# KiCad board untitled.kicad_pcb (continued)
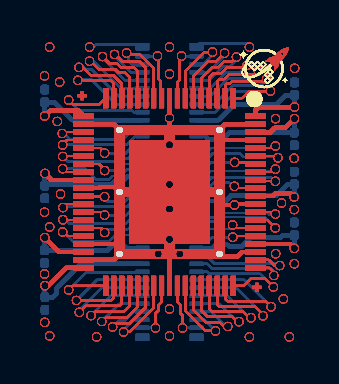
[diagram p0: board, top side]
## Nets (continued)
/PIN 66: J101.5 J102.4 J103.5 J104.4 J105.5 J106.4 J107.5 J108.4 J109.5 J110.4 J111.5 J112.4 J113.5 J114.4 J115.5 J116.4 J117.5 J118.4 J119.5 J120.4 J121.5 J122.4 J123.5 J124.4 J125.5 J126.4 J127.5 J128.4 J129.5 J130.4 J131.5 J132.4 J133.5 J134.4 J135.5 J136.4 J137.5 J138.4 J139.5 J140.4 J141.5 J142.4 J143.5 J144.4 J145.5 J146.4 J147.5 J148.4 J149.5 J150.4 J151.5 J152.4 J153.5 J154.4 J155.5 J156.4 J157.5 J158.4 J159.5 J160.4 J161.5 J162.4 J163.5 J164.4 J165.5 J166.4 J167.5 J168.4 J169.5 J170.4 J171.5 J172.4 J173.5 J174.4 J175.5 J176.4 J177.5 J178.4 J179.5 J180.4 J181.5 J182.4 J183.5 J184.4
/PIN 67: J101.4 J102.5 J103.4 J104.5 J105.4 J106.5 J107.4 J108.5 J109.4 J110.5 J111.4 J112.5 J113.4 J114.5 J115.4 J116.5 J117.4 J118.5 J119.4 J120.5 J121.4 J122.5 J123.4 J124.5 J125.4 J126.5 J127.4 J128.5 J129.4 J130.5 J131.4 J132.5 J133.4 J134.5 J135.4 J136.5 J137.4 J138.5 J139.4 J140.5 J141.4 J142.5 J143.4 J144.5 J145.4 J146.5 J147.4 J148.5 J149.4 J150.5 J151.4 J152.5 J153.4 J154.5 J155.4 J156.5 J157.4 J158.5 J159.4 J160.5 J161.4 J162.5 J163.4 J164.5 J165.4 J166.5 J167.4 J168.5 J169.4 J170.5 J171.4 J172.5 J173.4 J174.5 J175.4 J176.5 J177.4 J178.5 J179.4 J180.5 J181.4 J182.5 J183.4 J184.5
/PIN 68: J101.3 J102.6 J103.3 J104.6 J105.3 J106.6 J107.3 J108.6 J109.3 J110.6 J111.3 J112.6 J113.3 J114.6 J115.3 J116.6 J117.3 J118.6 J119.3 J120.6 J121.3 J122.6 J123.3 J124.6 J125.3 J126.6 J127.3 J128.6 J129.3 J130.6 J131.3 J132.6 J133.3 J134.6 J135.3 J136.6 J137.3 J138.6 J139.3 J140.6 J141.3 J142.6 J143.3 J144.6 J145.3 J146.6 J147.3 J148.6 J149.3 J150.6 J151.3 J152.6 J153.3 J154.6 J155.3 J156.6 J157.3 J158.6 J159.3 J160.6 J161.3 J162.6 J163.3 J164.6 J165.3 J166.6 J167.3 J168.6 J169.3 J170.6 J171.3 J172.6 J173.3 J174.6 J175.3 J176.6 J177.3 J178.6 J179.3 J180.6 J181.3 J182.6 J183.3 J184.6
/PIN 69: J101.2 J102.7 J103.2 J104.7 J105.2 J106.7 J107.2 J108.7 J109.2 J110.7 J111.2 J112.7 J113.2 J114.7 J115.2 J116.7 J117.2 J118.7 J119.2 J120.7 J121.2 J122.7 J123.2 J124.7 J125.2 J126.7 J127.2 J128.7 J129.2 J130.7 J131.2 J132.7 J133.2 J134.7 J135.2 J136.7 J137.2 J138.7 J139.2 J140.7 J141.2 J142.7 J143.2 J144.7 J145.2 J146.7 J147.2 J148.7 J149.2 J150.7 J151.2 J152.7 J153.2 J154.7 J155.2 J156.7 J157.2 J158.7 J159.2 J160.7 J161.2 J162.7 J163.2 J164.7 J165.2 J166.7 J167.2 J168.7 J169.2 J170.7 J171.2 J172.7 J173.2 J174.7 J175.2 J176.7 J177.2 J178.7 J179.2 J180.7 J181.2 J182.7 J183.2 J184.7
/PIN 70: J101.1 J102.8 J103.1 J104.8 J105.1 J106.8 J107.1 J108.8 J109.1 J110.8 J111.1 J112.8 J113.1 J114.8 J115.1 J116.8 J117.1 J118.8 J119.1 J120.8 J121.1 J122.8 J123.1 J124.8 J125.1 J126.8 J127.1 J128.8 J129.1 J130.8 J131.1 J132.8 J133.1 J134.8 J135.1 J136.8 J137.1 J138.8 J139.1 J140.8 J141.1 J142.8 J143.1 J144.8 J145.1 J146.8 J147.1 J148.8 J149.1 J150.8 J151.1 J152.8 J153.1 J154.8 J155.1 J156.8 J157.1 J158.8 J159.1 J160.8 J161.1 J162.8 J163.1 J164.8 J165.1 J166.8 J167.1 J168.8 J169.1 J170.8 J171.1 J172.8 J173.1 J174.8 J175.1 J176.8 J177.1 J178.8 J179.1 J180.8 J181.1 J182.8 J183.1 J184.8

Pads without a net: J102  75; J104  75; J106  75; J108  75; J110  75; J112  75; J114  75; J116  75; J118  75; J120  75; J122  75; J124  75; J126  75; J128  75; J130  75; J132  75; J134  75; J136  75; J138  75; J140  75; J142  75; J144  75; J146  75; J148  75; J150  75; J152  75; J154  75; J156  75; J158  75; J160  75; J162  75; J164  75; J166  75; J168  75; J170  75; J172  75; J174  75; J176  75; J178  75; J180  75; J182  75; J184  75

## Via types
v1: diameter 0.45, hole 0.3, Top to Bottom, 4158 vias

## Routing (per net, layer and track width the routed paths; a pad name or vN(x,y) marks a point on that pad's centre or on a via; arc(x,y) is an arc through that point)
GND: length 2408.7
  Top w0.2: J158.34 3.76,2.98 ; J158.34 3.76,2.98 ; J158.34 3.76,2.98 ; J158.34 3.76,2.98 ; J158.34 3.76,2.98 ; J158.34 3.76,2.98 ; J158.34 3.76,2.98 ; J158.34 3.76,2.98 ; J158.34 3.76,2.98 ; J158.34 3.76,2.98 ; J158.34 3.76,2.98 ; J158.34 3.76,2.98 ; J158.34 3.76,2.98 ; J158.34 3.76,2.98 ; J158.34 3.76,2.98 ; J158.34 3.76,2.98 ; J158.34 3.76,2.98 ; J158.34 3.76,2.98 ; J158.34 3.76,2.98 ; J158.34 3.76,2.98 ; J158.34 3.76,2.98 ; J158.34 3.76,2.98 ; J158.34 3.76,2.98 ; J158.34 3.76,2.98 ; J158.34 3.76,2.98 ; J158.34 3.76,2.98 ; J158.34 3.76,2.98 ; J158.34 3.76,2.98 ; J158.34 3.76,2.98 ; J158.34 3.76,2.98 ; J158.34 3.76,2.98 ; J158.34 3.76,2.98 ; J158.34 3.76,2.98 ; J158.34 3.76,2.98 ; J158.34 3.76,2.98 ; J158.34 3.76,2.98 ; J158.34 3.76,2.98 ; J158.34 3.76,2.98 ; J158.34 3.76,2.98 ; J158.34 3.76,2.98 ; J158.34 3.76,2.98 ; J158.34 3.76,2.98 ; 9.66,2.36 8.88,2.36 ; 9.66,2.36 9.88,2.58 ; 9.66,2.36 8.88,2.36 ; 9.66,2.36 9.88,2.58 ; 9.66,2.36 9.88,2.58 ; 9.66,2.36 8.88,2.36 ; 9.66,2.36 9.88,2.58 ; 9.66,2.36 9.88,2.58 ; 9.66,2.36 9.88,2.58 ; 9.66,2.36 8.88,2.36 ; 9.66,2.36 9.88,2.58 ; 9.66,2.36 8.88,2.36 ; 9.66,2.36 9.88,2.58 ; 9.66,2.36 8.88,2.36 ; 9.66,2.36 8.88,2.36 ; 9.66,2.36 9.88,2.58 ; 9.66,2.36 9.88,2.58 ; 9.66,2.36 8.88,2.36 ; 9.66,2.36 9.88,2.58 ; 9.66,2.36 9.88,2.58 ; 9.66,2.36 8.88,2.36 ; 9.66,2.36 8.88,2.36 ; 9.66,2.36 8.88,2.36 ; 9.66,2.36 9.88,2.58 ; 9.66,2.36 8.88,2.36 ; 9.66,2.36 8.88,2.36 ; 9.66,2.36 8.88,2.36 ; 9.66,2.36 9.88,2.58 ; 9.66,2.36 8.88,2.36 ; 9.66,2.36 8.88,2.36 ; 9.66,2.36 8.88,2.36 ; 9.66,2.36 9.88,2.58 ; 9.66,2.36 9.88,2.58 ; 9.66,2.36 8.88,2.36 ; 9.66,2.36 8.88,2.36 ; 9.66,2.36 9.88,2.58 ; 9.66,2.36 9.88,2.58 ; 9.66,2.36 8.88,2.36 ; 9.66,2.36 8.88,2.36 ; 9.66,2.36 8.88,2.36 ; 9.66,2.36 9.88,2.58 ; 9.66,2.36 9.88,2.58 ; 9.66,2.36 8.88,2.36 ; 9.66,2.36 9.88,2.58 ; 9.66,2.36 9.88,2.58 ; 9.66,2.36 8.88,2.36 ; 9.66,2.36 9.88,2.58 ; 9.66,2.36 9.88,2.58 ; 9.66,2.36 8.88,2.36 ; 9.66,2.36 8.88,2.36 ; 9.66,2.36 8.88,2.36 ; 9.66,2.36 8.88,2.36 ; 9.66,2.36 9.88,2.58 ; 9.66,2.36 8.88,2.36 ; 9.66,2.36 9.88,2.58 ; 9.66,2.36 9.88,2.58 ; 9.66,2.36 9.88,2.58 ; 9.66,2.36 8.88,2.36 ; 9.66,2.36 8.88,2.36 ; 9.66,2.36 8.88,2.36 ; 9.66,2.36 8.88,2.36 ; 9.66,2.36 9.88,2.58 ; 9.66,2.36 9.88,2.58 ; 9.66,2.36 9.88,2.58 ; 9.66,2.36 8.88,2.36 ; 9.66,2.36 9.88,2.58 ; 9.66,2.36 9.88,2.58 ; 9.66,2.36 9.88,2.58 ; 9.66,2.36 9.88,2.58 ; 9.66,2.36 8.88,2.36 ; 9.66,2.36 9.88,2.58 ; 9.66,2.36 9.88,2.58 ; 9.66,2.36 8.88,2.36 ; 9.66,2.36 8.88,2.36 ; 9.66,2.36 8.88,2.36 ; 9.66,2.36 9.88,2.58 ; 9.66,2.36 8.88,2.36 ; 9.66,2.36 9.88,2.58 ; 9.66,2.36 9.88,2.58 ; 9.66,2.36 9.88,2.58 ; 9.66,2.36 8.88,2.36 ; 9.66,2.36 9.88,2.58 ; 9.66,2.36 8.88,2.36 ; 9.66,2.36 8.88,2.36 ; 8.88,2.36 8.76,2.48 ; 8.88,2.36 8.76,2.48 ; 8.88,2.36 8.76,2.48 ; 8.88,2.36 8.76,2.48 ; 8.88,2.36 8.76,2.48 ; 8.88,2.36 8.76,2.48 ; 8.88,2.36 8.76,2.48 ; 8.88,2.36 8.76,2.48 ; 8.88,2.36 8.76,2.48 ; 8.88,2.36 8.76,2.48 ; 8.88,2.36 8.76,2.48 ; 8.88,2.36 8.76,2.48 ; 8.88,2.36 8.76,2.48 ; 8.88,2.36 8.76,2.48 ; 8.88,2.36 8.76,2.48 ; 8.88,2.36 8.76,2.48 ; 8.88,2.36 8.76,2.48 ; 8.88,2.36 8.76,2.48 ; 8.88,2.36 8.76,2.48 ; 8.88,2.36 8.76,2.48 ; 8.88,2.36 8.76,2.48 ; 8.88,2.36 8.76,2.48 ; 8.88,2.36 8.76,2.48 ; 8.88,2.36 8.76,2.48 ; 8.88,2.36 8.76,2.48 ; 8.88,2.36 8.76,2.48 ; 8.88,2.36 8.76,2.48 ; 8.88,2.36 8.76,2.48 ; 8.88,2.36 8.76,2.48 ; 8.88,2.36 8.76,2.48 ; 8.88,2.36 8.76,2.48 ; 8.88,2.36 8.76,2.48 ; 8.88,2.36 8.76,2.48 ; 8.88,2.36 8.76,2.48 ; 8.88,2.36 8.76,2.48 ; 8.88,2.36 8.76,2.48 ; 8.88,2.36 8.76,2.48 ; 8.88,2.36 8.76,2.48 ; 8.88,2.36 8.76,2.48 ; 8.88,2.36 8.76,2.48 ; 8.88,2.36 8.76,2.48 ; 8.88,2.36 8.76,2.48 ; 9.66,4.98 J158.63 ; 9.66,4.98 J158.63 ; 9.66,4.98 9.61,4.93 ; 9.66,4.98 9.61,4.93 ; 9.66,4.98 J158.63 ; 9.66,4.98 9.61,4.93 ; 9.66,4.98 9.61,4.93 ; 9.66,4.98 J158.63 ; 9.66,4.98 J158.63 ; 9.66,4.98 9.61,4.93 ; 9.66,4.98 9.61,4.93 ; 9.66,4.98 J158.63 ; 9.66,4.98 J158.63 ; 9.66,4.98 J158.63 ; 9.66,4.98 J158.63 ; 9.66,4.98 9.61,4.93 ; 9.66,4.98 9.61,4.93 ; 9.66,4.98 9.61,4.93 ; 9.66,4.98 9.61,4.93 ; 9.66,4.98 9.61,4.93 ; 9.66,4.98 J158.63 ; 9.66,4.98 J158.63 ; 9.66,4.98 J158.63 ; 9.66,4.98 J158.63 ; 9.66,4.98 J158.63 ; 9.66,4.98 9.61,4.93 ; 9.66,4.98 J158.63 ; 9.66,4.98 9.61,4.93 ; 9.66,4.98 J158.63 ; 9.66,4.98 9.61,4.93 ; 9.66,4.98 9.61,4.93 ; 9.66,4.98 J158.63 ; 9.66,4.98 9.61,4.93 ; 9.66,4.98 9.61,4.93 ; 9.66,4.98 J158.63 ; 9.66,4.98 9.61,4.93 ; 9.66,4.98 J158.63 ; 9.66,4.98 J158.63 ; 9.66,4.98 J158.63 ; 9.66,4.98 9.61,4.93 ; 9.66,4.98 9.61,4.93 ; 9.66,4.98 J158.63 ; 9.66,4.98 J158.63 ; 9.66,4.98 9.61,4.93 ; 9.66,4.98 9.61,4.93 ; 9.66,4.98 J158.63 ; 9.66,4.98 J158.63 ; 9.66,4.98 J158.63 ; 9.66,4.98 9.61,4.93 ; 9.66,4.98 J158.63 ; 9.66,4.98 J158.63 ; 9.66,4.98 J158.63 ; 9.66,4.98 9.61,4.93 ; 9.66,4.98 9.61,4.93 ; 9.66,4.98 J158.63 ; 9.66,4.98 9.61,4.93 ; 9.66,4.98 J158.63 ; 9.66,4.98 9.61,4.93 ; 9.66,4.98 J158.63 ; 9.66,4.98 9.61,4.93 ; 9.66,4.98 J158.63 ; 9.66,4.98 9.61,4.93 ; 9.66,4.98 9.61,4.93 ; 9.66,4.98 9.61,4.93 ; 9.66,4.98 9.61,4.93 ; 9.66,4.98 9.61,4.93 ; 9.66,4.98 9.61,4.93 ; 9.66,4.98 9.61,4.93 ; 9.66,4.98 9.61,4.93 ; 9.66,4.98 9.61,4.93 ; 9.66,4.98 J158.63 ; 9.66,4.98 9.61,4.93 ; 9.66,4.98 J158.63 ; 9.66,4.98 J158.63 ; 9.66,4.98 9.61,4.93 ; 9.66,4.98 9.61,4.93 ; 9.66,4.98 J158.63 ; 9.66,4.98 J158.63 ; 9.66,4.98 9.61,4.93 ; 9.66,4.98 J158.63 ; 9.66,4.98 J158.63 ; 9.66,4.98 J158.63 ; 9.66,4.98 J158.63 ; 9.66,4.98 9.61,4.93 ; 9.88,2.58 J158.57 ; 9.88,2.58 J158.57 ; 9.88,2.58 J158.57 ; 9.88,2.58 J158.57 ; 9.88,2.58 J158.57 ; 9.88,2.58 J158.57 ; 9.88,2.58 J158.57 ; 9.88,2.58 J158.57 ; 9.88,2.58 J158.57 ; 9.88,2.58 J158.57 ; 9.88,2.58 J158.57 ; 9.88,2.58 J158.57 ; 9.88,2.58 J158.57 ; 9.88,2.58 J158.57 ; 9.88,2.58 J158.57 ; 9.88,2.58 J158.57 ; 9.88,2.58 J158.57 ; 9.88,2.58 J158.57 ; 9.88,2.58 J158.57 ; 9.88,2.58 J158.57 ; 9.88,2.58 J158.57 ; 9.88,2.58 J158.57 ; 9.88,2.58 J158.57 ; 9.88,2.58 J158.57 ; 9.88,2.58 J158.57 ; 9.88,2.58 J158.57 ; 9.88,2.58 J158.57 ; 9.88,2.58 J158.57 ; 9.88,2.58 J158.57 ; 9.88,2.58 J158.57 ; 9.88,2.58 J158.57 ; 9.88,2.58 J158.57 ; 9.88,2.58 J158.57 ; 9.88,2.58 J158.57 ; 9.88,2.58 J158.57 ; 9.88,2.58 J158.57 ; 9.88,2.58 J158.57 ; 9.88,2.58 J158.57 ; 9.88,2.58 J158.57 ; 9.88,2.58 J158.57 ; 9.88,2.58 J158.57 ; 9.88,2.58 J158.57 ; J158.9 v1(6.26,9.28) ; J158.9 v1(6.26,9.28) ; J158.9 v1(6.26,9.28) ; J158.9 v1(6.26,9.28) ; J158.9 v1(6.26,9.28) ; J158.9 v1(6.26,9.28) ; J158.9 v1(6.26,9.28) ; J158.9 v1(6.26,9.28) ; J158.9 v1(6.26,9.28) ; J158.9 v1(6.26,9.28) ; J158.9 v1(6.26,9.28) ; J158.9 v1(6.26,9.28) ; J158.9 v1(6.26,9.28) ; J158.9 v1(6.26,9.28) ; J158.9 v1(6.26,9.28) ; J158.9 v1(6.26,9.28) ; J158.9 v1(6.26,9.28) ; J158.9 v1(6.26,9.28) ; J158.9 v1(6.26,9.28) ; J158.9 v1(6.26,9.28) ; J158.9 v1(6.26,9.28) ; J158.9 v1(6.26,9.28) ; J158.9 v1(6.26,9.28) ; J158.9 v1(6.26,9.28) ; J158.9 v1(6.26,9.28) ; J158.9 v1(6.26,9.28) ; J158.9 v1(6.26,9.28) ; J158.9 v1(6.26,9.28) ; J158.9 v1(6.26,9.28) ; J158.9 v1(6.26,9.28) ; J158.9 v1(6.26,9.28) ; J158.9 v1(6.26,9.28) ; J158.9 v1(6.26,9.28) ; J158.9 v1(6.26,9.28) ; J158.9 v1(6.26,9.28) ; J158.9 v1(6.26,9.28) ; J158.9 v1(6.26,9.28) ; J158.9 v1(6.26,9.28) ; J158.9 v1(6.26,9.28) ; J158.9 v1(6.26,9.28) ; J158.9 v1(6.26,9.28) ; J158.9 v1(6.26,9.28) ; v1(6.26,9.28) 6.26,8.73 ; v1(6.26,9.28) 6.26,8.73 ; v1(6.26,9.28) 6.26,8.73 ; v1(6.26,9.28) 6.26,8.73 ; v1(6.26,9.28) 6.26,8.73 ; v1(6.26,9.28) 6.26,8.73 ; v1(6.26,9.28) 6.26,8.73 ; v1(6.26,9.28) 6.26,8.73 ; v1(6.26,9.28) 6.26,8.73 ; v1(6.26,9.28) 6.26,8.73 ; v1(6.26,9.28) 6.26,8.73 ; v1(6.26,9.28) 6.26,8.73 ; v1(6.26,9.28) 6.26,8.73 ; v1(6.26,9.28) 6.26,8.73 ; v1(6.26,9.28) 6.26,8.73 ; v1(6.26,9.28) 6.26,8.73 ; v1(6.26,9.28) 6.26,8.73 ; v1(6.26,9.28) 6.26,8.73 ; v1(6.26,9.28) 6.26,8.73 ; v1(6.26,9.28) 6.26,8.73 ; v1(6.26,9.28) 6.26,8.73 ; v1(6.26,9.28) 6.26,8.73 ; v1(6.26,9.28) 6.26,8.73 ; v1(6.26,9.28) 6.26,8.73 ; v1(6.26,9.28) 6.26,8.73 ; v1(6.26,9.28) 6.26,8.73 ; v1(6.26,9.28) 6.26,8.73 ; v1(6.26,9.28) 6.26,8.73 ; v1(6.26,9.28) 6.26,8.73 ; v1(6.26,9.28) 6.26,8.73 ; v1(6.26,9.28) 6.26,8.73 ; v1(6.26,9.28) 6.26,8.73 ; v1(6.26,9.28) 6.26,8.73 ; v1(6.26,9.28) 6.26,8.73 ; v1(6.26,9.28) 6.26,8.73 ; v1(6.26,9.28) 6.26,8.73 ; v1(6.26,9.28) 6.26,8.73 ; v1(6.26,9.28) 6.26,8.73 ; v1(6.26,9.28) 6.26,8.73 ; v1(6.26,9.28) 6.26,8.73 ; v1(6.26,9.28) 6.26,8.73 ; v1(6.26,9.28) 6.26,8.73 ; J158.27 2.76,5.78 ; J158.27 2.76,5.78 ; J158.27 2.76,5.78 ; J158.27 2.76,5.78 ; J158.27 2.76,5.78 ; J158.27 2.76,5.78 ; J158.27 2.76,5.78 ; J158.27 2.76,5.78 ; J158.27 2.76,5.78 ; J158.27 2.76,5.78 ; J158.27 2.76,5.78 ; J158.27 2.76,5.78 ; J158.27 2.76,5.78 ; J158.27 2.76,5.78 ; J158.27 2.76,5.78 ; J158.27 2.76,5.78 ; J158.27 2.76,5.78 ; J158.27 2.76,5.78 ; J158.27 2.76,5.78 ; J158.27 2.76,5.78 ; J158.27 2.76,5.78 ; J158.27 2.76,5.78 ; J158.27 2.76,5.78 ; J158.27 2.76,5.78 ; J158.27 2.76,5.78 ; J158.27 2.76,5.78 ; J158.27 2.76,5.78 ; J158.27 2.76,5.78 ; J158.27 2.76,5.78 ; J158.27 2.76,5.78 ; J158.27 2.76,5.78 ; J158.27 2.76,5.78 ; J158.27 2.76,5.78 ; J158.27 2.76,5.78 ; J158.27 2.76,5.78 ; J158.27 2.76,5.78 ; J158.27 2.76,5.78 ; J158.27 2.76,5.78 ; J158.27 2.76,5.78 ; J158.27 2.76,5.78 ; J158.27 2.76,5.78 ; J158.27 2.76,5.78 ; 2.76,5.78 2.81,5.83 ; 2.76,5.78 2.81,5.83 ; 2.76,5.78 2.81,5.83 ; 2.76,5.78 2.81,5.83 ; 2.76,5.78 2.81,5.83 ; 2.76,5.78 2.81,5.83 ; 2.76,5.78 2.81,5.83 ; 2.76,5.78 2.81,5.83 ; 2.76,5.78 2.81,5.83 ; 2.76,5.78 2.81,5.83 ; 2.76,5.78 2.81,5.83 ; 2.76,5.78 2.81,5.83 ; 2.76,5.78 2.81,5.83 ; 2.76,5.78 2.81,5.83 ; 2.76,5.78 2.81,5.83 ; 2.76,5.78 2.81,5.83 ; 2.76,5.78 2.81,5.83 ; 2.76,5.78 2.81,5.83 ; 2.76,5.78 2.81,5.83 ; 2.76,5.78 2.81,5.83 ; 2.76,5.78 2.81,5.83 ; 2.76,5.78 2.81,5.83 ; 2.76,5.78 2.81,5.83 ; 2.76,5.78 2.81,5.83 ; 2.76,5.78 2.81,5.83 ; 2.76,5.78 2.81,5.83 ; 2.76,5.78 2.81,5.83 ; 2.76,5.78 2.81,5.83 ; 2.76,5.78 2.81,5.83 ; 2.76,5.78 2.81,5.83 ; 2.76,5.78 2.81,5.83 ; 2.76,5.78 2.81,5.83 ; 2.76,5.78 2.81,5.83 ; 2.76,5.78 2.81,5.83 ; 2.76,5.78 2.81,5.83 ; 2.76,5.78 2.81,5.83 ; 2.76,5.78 2.81,5.83 ; 2.76,5.78 2.81,5.83 ; 2.76,5.78 2.81,5.83 ; 2.76,5.78 2.81,5.83 ; 2.76,5.78 2.81,5.83 ; 2.76,5.78 2.81,5.83 ; 2.81,5.83 3.51,5.83 ; 2.81,5.83 3.51,5.83 ; 2.81,5.83 3.51,5.83 ; 2.81,5.83 3.51,5.83 ; 2.81,5.83 3.51,5.83 ; 2.81,5.83 3.51,5.83 ; 2.81,5.83 3.51,5.83 ; 2.81,5.83 3.51,5.83 ; 2.81,5.83 3.51,5.83 ; 2.81,5.83 3.51,5.83 ; 2.81,5.83 3.51,5.83 ; 2.81,5.83 3.51,5.83 ; 2.81,5.83 3.51,5.83 ; 2.81,5.83 3.51,5.83 ; 2.81,5.83 3.51,5.83 ; 2.81,5.83 3.51,5.83 ; 2.81,5.83 3.51,5.83 ; 2.81,5.83 3.51,5.83 ; 2.81,5.83 3.51,5.83 ; 2.81,5.83 3.51,5.83 ; 2.81,5.83 3.51,5.83 ; 2.81,5.83 3.51,5.83 ; 2.81,5.83 3.51,5.83 ; 2.81,5.83 3.51,5.83 ; 2.81,5.83 3.51,5.83 ; 2.81,5.83 3.51,5.83 ; 2.81,5.83 3.51,5.83 ; 2.81,5.83 3.51,5.83 ; 2.81,5.83 3.51,5.83 ; 2.81,5.83 3.51,5.83 ; 2.81,5.83 3.51,5.83 ; 2.81,5.83 3.51,5.83 ; 2.81,5.83 3.51,5.83 ; 2.81,5.83 3.51,5.83 ; 2.81,5.83 3.51,5.83 ; 2.81,5.83 3.51,5.83 ; 2.81,5.83 3.51,5.83 ; 2.81,5.83 3.51,5.83 ; 2.81,5.83 3.51,5.83 ; 2.81,5.83 3.51,5.83 ; 2.81,5.83 3.51,5.83 ; 2.81,5.83 3.51,5.83 ; 3.51,5.83 3.76,5.58 ; 3.51,5.83 3.76,5.58 ; 3.51,5.83 3.76,5.58 ; 3.51,5.83 3.76,5.58 ; 3.51,5.83 3.76,5.58 ; 3.51,5.83 3.76,5.58 ; 3.51,5.83 3.76,5.58 ; 3.51,5.83 3.76,5.58 ; 3.51,5.83 3.76,5.58 ; 3.51,5.83 3.76,5.58 ; 3.51,5.83 3.76,5.58 ; 3.51,5.83 3.76,5.58 ; 3.51,5.83 3.76,5.58 ; 3.51,5.83 3.76,5.58 ; 3.51,5.83 3.76,5.58 ; 3.51,5.83 3.76,5.58 ; 3.51,5.83 3.76,5.58 ; 3.51,5.83 3.76,5.58 ; 3.51,5.83 3.76,5.58 ; 3.51,5.83 3.76,5.58 ; 3.51,5.83 3.76,5.58 ; 3.51,5.83 3.76,5.58 ; 3.51,5.83 3.76,5.58 ; 3.51,5.83 3.76,5.58 ; 3.51,5.83 3.76,5.58 ; 3.51,5.83 3.76,5.58 ; 3.51,5.83 3.76,5.58 ; 3.51,5.83 3.76,5.58 ; 3.51,5.83 3.76,5.58 ; 3.51,5.83 3.76,5.58 ; 3.51,5.83 3.76,5.58 ; 3.51,5.83 3.76,5.58 ; 3.51,5.83 3.76,5.58 ; 3.51,5.83 3.76,5.58 ; 3.51,5.83 3.76,5.58 ; 3.51,5.83 3.76,5.58 ; 3.51,5.83 3.76,5.58 ; 3.51,5.83 3.76,5.58 ; 3.51,5.83 3.76,5.58 ; 3.51,5.83 3.76,5.58 ; 3.51,5.83 3.76,5.58 ; 3.51,5.83 3.76,5.58 ; 3.46,2.18 3.76,2.48 ; 3.46,2.18 J158.36 ; 3.46,2.18 3.76,2.48 ; 3.46,2.18 J158.36 ; 3.46,2.18 3.76,2.48 ; 3.46,2.18 J158.36 ; 3.46,2.18 3.76,2.48 ; 3.46,2.18 J158.36 ; 3.46,2.18 J158.36 ; 3.46,2.18 J158.36 ; 3.46,2.18 J158.36 ; 3.46,2.18 3.76,2.48 ; 3.46,2.18 3.76,2.48 ; 3.46,2.18 3.76,2.48 ; 3.46,2.18 3.76,2.48 ; 3.46,2.18 3.76,2.48 ; 3.46,2.18 3.76,2.48 ; 3.46,2.18 J158.36 ; 3.46,2.18 3.76,2.48 ; 3.46,2.18 J158.36 ; 3.46,2.18 J158.36 ; 3.46,2.18 J158.36 ; 3.46,2.18 J158.36 ; 3.46,2.18 3.76,2.48 ; 3.46,2.18 3.76,2.48 ; 3.46,2.18 J158.36 ; 3.46,2.18 3.76,2.48 ; 3.46,2.18 3.76,2.48 ; 3.46,2.18 3.76,2.48 ; 3.46,2.18 3.76,2.48 ; 3.46,2.18 3.76,2.48 ; 3.46,2.18 J158.36 ; 3.46,2.18 J158.36 ; 3.46,2.18 3.76,2.48 ; 3.46,2.18 J158.36 ; 3.46,2.18 3.76,2.48 ; 3.46,2.18 3.76,2.48 ; 3.46,2.18 3.76,2.48 ; 3.46,2.18 3.76,2.48 ; 3.46,2.18 3.76,2.48 ; 3.46,2.18 J158.36 ; 3.46,2.18 J158.36 ; 3.46,2.18 3.76,2.48 ; 3.46,2.18 J158.36 ; 3.46,2.18 J158.36 ; 3.46,2.18 J158.36 ; 3.46,2.18 J158.36 ; 3.46,2.18 3.76,2.48 ; 3.46,2.18 3.76,2.48 ; 3.46,2.18 3.76,2.48 ; 3.46,2.18 3.76,2.48 ; 3.46,2.18 3.76,2.48 ; 3.46,2.18 3.76,2.48 ; 3.46,2.18 3.76,2.48 ; 3.46,2.18 3.76,2.48 ; 3.46,2.18 3.76,2.48 ; 3.46,2.18 3.76,2.48 ; 3.46,2.18 3.76,2.48 ; 3.46,2.18 J158.36 ; 3.46,2.18 J158.36 ; 3.46,2.18 J158.36 ; 3.46,2.18 3.76,2.48 ; 3.46,2.18 J158.36 ; 3.46,2.18 J158.36 ; 3.46,2.18 3.76,2.48 ; 3.46,2.18 J158.36 ; 3.46,2.18 J158.36 ; 3.46,2.18 J158.36 ; 3.46,2.18 J158.36 ; 3.46,2.18 J158.36 ; 3.46,2.18 J158.36 ; 3.46,2.18 3.76,2.48 ; 3.46,2.18 J158.36 ; 3.46,2.18 3.76,2.48 ; 3.46,2.18 J158.36 ; 3.46,2.18 J158.36 ; 3.46,2.18 J158.36 ; 3.46,2.18 3.76,2.48 ; 3.46,2.18 J158.36 ; 3.46,2.18 J158.36 ; 3.46,2.18 3.76,2.48 ; 3.46,2.18 J158.36 ; 3.46,2.18 J158.36 ; 3.46,2.18 J158.36 ; J158.71 8.76,8.18 ; J158.71 8.76,8.18 ; J158.71 8.76,8.18 ; J158.71 8.76,8.18 ; J158.71 8.76,8.18 ; J158.71 8.76,8.18 ; J158.71 8.76,8.18 ; J158.71 8.76,8.18 ; J158.71 8.76,8.18 ; J158.71 8.76,8.18 ; J158.71 8.76,8.18 ; J158.71 8.76,8.18 ; J158.71 8.76,8.18 ; J158.71 8.76,8.18 ; J158.71 8.76,8.18 ; J158.71 8.76,8.18 ; J158.71 8.76,8.18 ; J158.71 8.76,8.18 ; J158.71 8.76,8.18 ; J158.71 8.76,8.18 ; J158.71 8.76,8.18 ; J158.71 8.76,8.18 ; J158.71 8.76,8.18 ; J158.71 8.76,8.18 ; J158.71 8.76,8.18 ; J158.71 8.76,8.18 ; J158.71 8.76,8.18 ; J158.71 8.76,8.18 ; J158.71 8.76,8.18 ; J158.71 8.76,8.18 ; J158.71 8.76,8.18 ; J158.71 8.76,8.18 ; J158.71 8.76,8.18 ; J158.71 8.76,8.18 ; J158.71 8.76,8.18 ; J158.71 8.76,8.18 ; J158.71 8.76,8.18 ; J158.71 8.76,8.18 ; J158.71 8.76,8.18 ; J158.71 8.76,8.18 ; J158.71 8.76,8.18 ; J158.71 8.76,8.18 ; 6.26,8.73 6.21,8.68 ; 6.26,8.73 6.21,8.68 ; 6.26,8.73 6.21,8.68 ; 6.26,8.73 6.21,8.68 ; 6.26,8.73 6.21,8.68 ; 6.26,8.73 6.21,8.68 ; 6.26,8.73 6.21,8.68 ; 6.26,8.73 6.21,8.68 ; 6.26,8.73 6.21,8.68 ; 6.26,8.73 6.21,8.68 ; 6.26,8.73 6.21,8.68 ; 6.26,8.73 6.21,8.68 ; 6.26,8.73 6.21,8.68 ; 6.26,8.73 6.21,8.68 ; 6.26,8.73 6.21,8.68 ; 6.26,8.73 6.21,8.68 ; 6.26,8.73 6.21,8.68 ; 6.26,8.73 6.21,8.68 ; 6.26,8.73 6.21,8.68 ; 6.26,8.73 6.21,8.68 ; 6.26,8.73 6.21,8.68 ; 6.26,8.73 6.21,8.68 ; 6.26,8.73 6.21,8.68 ; 6.26,8.73 6.21,8.68 ; 6.26,8.73 6.21,8.68 ; 6.26,8.73 6.21,8.68 ; 6.26,8.73 6.21,8.68 ; 6.26,8.73 6.21,8.68 ; 6.26,8.73 6.21,8.68 ; 6.26,8.73 6.21,8.68 ; 6.26,8.73 6.21,8.68 ; 6.26,8.73 6.21,8.68 ; 6.26,8.73 6.21,8.68 ; 6.26,8.73 6.21,8.68 ; 6.26,8.73 6.21,8.68 ; 6.26,8.73 6.21,8.68 ; 6.26,8.73 6.21,8.68 ; 6.26,8.73 6.21,8.68 ; 6.26,8.73 6.21,8.68 ; 6.26,8.73 6.21,8.68 ; 6.26,8.73 6.21,8.68 ; 6.26,8.73 6.21,8.68 ; J158.19 3.46,8.98 ; J158.19 3.46,8.98 ; J158.19 3.46,8.98 ; J158.19 3.46,8.98 ; J158.19 3.46,8.98 ; J158.19 3.46,8.98 ; J158.19 3.46,8.98 ; J158.19 3.46,8.98 ; J158.19 3.46,8.98 ; J158.19 3.46,8.98 ; J158.19 3.46,8.98 ; J158.19 3.46,8.98 ; J158.19 3.46,8.98 ; J158.19 3.46,8.98 ; J158.19 3.46,8.98 ; J158.19 3.46,8.98 ; J158.19 3.46,8.98 ; J158.19 3.46,8.98 ; J158.19 3.46,8.98 ; J158.19 3.46,8.98 ; J158.19 3.46,8.98 ; J158.19 3.46,8.98 ; J158.19 3.46,8.98 ; J158.19 3.46,8.98 ; J158.19 3.46,8.98 ; J158.19 3.46,8.98 ; J158.19 3.46,8.98 ; J158.19 3.46,8.98 ; J158.19 3.46,8.98 ; J158.19 3.46,8.98 ; J158.19 3.46,8.98 ; J158.19 3.46,8.98 ; J158.19 3.46,8.98 ; J158.19 3.46,8.98 ; J158.19 3.46,8.98 ; J158.19 3.46,8.98 ; J158.19 3.46,8.98 ; J158.19 3.46,8.98 ; J158.19 3.46,8.98 ; J158.19 3.46,8.98 ; J158.19 3.46,8.98 ; J158.19 3.46,8.98 ; 3.46,8.98 3.76,8.68 ; 3.46,8.98 3.76,8.68 ; 3.46,8.98 3.76,8.68 ; 3.46,8.98 3.76,8.68 ; 3.46,8.98 3.76,8.68 ; 3.46,8.98 3.76,8.68 ; 3.46,8.98 3.76,8.68 ; 3.46,8.98 3.76,8.68 ; 3.46,8.98 3.76,8.68 ; 3.46,8.98 3.76,8.68 ; 3.46,8.98 3.76,8.68 ; 3.46,8.98 3.76,8.68 ; 3.46,8.98 3.76,8.68 ; 3.46,8.98 3.76,8.68 ; 3.46,8.98 3.76,8.68 ; 3.46,8.98 3.76,8.68 ; 3.46,8.98 3.76,8.68 ; 3.46,8.98 3.76,8.68 ; 3.46,8.98 3.76,8.68 ; 3.46,8.98 3.76,8.68 ; 3.46,8.98 3.76,8.68 ; 3.46,8.98 3.76,8.68 ; 3.46,8.98 3.76,8.68 ; 3.46,8.98 3.76,8.68 ; 3.46,8.98 3.76,8.68 ; 3.46,8.98 3.76,8.68 ; 3.46,8.98 3.76,8.68 ; 3.46,8.98 3.76,8.68 ; 3.46,8.98 3.76,8.68 ; 3.46,8.98 3.76,8.68 ; 3.46,8.98 3.76,8.68 ; 3.46,8.98 3.76,8.68 ; 3.46,8.98 3.76,8.68 ; 3.46,8.98 3.76,8.68 ; 3.46,8.98 3.76,8.68 ; 3.46,8.98 3.76,8.68 ; 3.46,8.98 3.76,8.68 ; 3.46,8.98 3.76,8.68 ; 3.46,8.98 3.76,8.68 ; 3.46,8.98 3.76,8.68 ; 3.46,8.98 3.76,8.68 ; 3.46,8.98 3.76,8.68 ; v1(9.51,4.93) 8.86,4.93 ; v1(9.51,4.93) 9.61,4.93 ; v1(9.51,4.93) 9.61,4.93 ; v1(9.51,4.93) 8.86,4.93 ; v1(9.51,4.93) 8.86,4.93 ; v1(9.51,4.93) 9.61,4.93 ; v1(9.51,4.93) 8.86,4.93 ; v1(9.51,4.93) 9.61,4.93 ; v1(9.51,4.93) 8.86,4.93 ; v1(9.51,4.93) 8.86,4.93 ; v1(9.51,4.93) 8.86,4.93 ; v1(9.51,4.93) 9.61,4.93 ; v1(9.51,4.93) 9.61,4.93 ; v1(9.51,4.93) 9.61,4.93 ; v1(9.51,4.93) 9.61,4.93 ; v1(9.51,4.93) 8.86,4.93 ; v1(9.51,4.93) 8.86,4.93 ; v1(9.51,4.93) 9.61,4.93 ; v1(9.51,4.93) 9.61,4.93 ; v1(9.51,4.93) 9.61,4.93 ; v1(9.51,4.93) 9.61,4.93 ; v1(9.51,4.93) 8.86,4.93 ; v1(9.51,4.93) 9.61,4.93 ; v1(9.51,4.93) 8.86,4.93 ; v1(9.51,4.93) 8.86,4.93 ; v1(9.51,4.93) 9.61,4.93 ; v1(9.51,4.93) 9.61,4.93 ; v1(9.51,4.93) 9.61,4.93 ; v1(9.51,4.93) 8.86,4.93 ; v1(9.51,4.93) 8.86,4.93 ; v1(9.51,4.93) 9.61,4.93 ; v1(9.51,4.93) 8.86,4.93 ; v1(9.51,4.93) 9.61,4.93 ; v1(9.51,4.93) 8.86,4.93 ; v1(9.51,4.93) 9.61,4.93 ; v1(9.51,4.93) 8.86,4.93 ; v1(9.51,4.93) 8.86,4.93 ; v1(9.51,4.93) 8.86,4.93 ; v1(9.51,4.93) 9.61,4.93 ; v1(9.51,4.93) 8.86,4.93 ; v1(9.51,4.93) 9.61,4.93 ; v1(9.51,4.93) 8.86,4.93 ; v1(9.51,4.93) 9.61,4.93 ; v1(9.51,4.93) 8.86,4.93 ; v1(9.51,4.93) 8.86,4.93 ; v1(9.51,4.93) 9.61,4.93 ; v1(9.51,4.93) 8.86,4.93 ; v1(9.51,4.93) 8.86,4.93 ; v1(9.51,4.93) 8.86,4.93 ; v1(9.51,4.93) 9.61,4.93 ; v1(9.51,4.93) 9.61,4.93 ; v1(9.51,4.93) 8.86,4.93 ; v1(9.51,4.93) 8.86,4.93 ; v1(9.51,4.93) 9.61,4.93 ; v1(9.51,4.93) 8.86,4.93 ; v1(9.51,4.93) 8.86,4.93 ; v1(9.51,4.93) 9.61,4.93 ; v1(9.51,4.93) 9.61,4.93 ; v1(9.51,4.93) 9.61,4.93 ; v1(9.51,4.93) 9.61,4.93 ; v1(9.51,4.93) 9.61,4.93 ; v1(9.51,4.93) 9.61,4.93 ; v1(9.51,4.93) 8.86,4.93 ; v1(9.51,4.93) 9.61,4.93 ; v1(9.51,4.93) 8.86,4.93 ; v1(9.51,4.93) 9.61,4.93 ; v1(9.51,4.93) 8.86,4.93 ; v1(9.51,4.93) 9.61,4.93 ; v1(9.51,4.93) 8.86,4.93 ; v1(9.51,4.93) 8.86,4.93 ; v1(9.51,4.93) 9.61,4.93 ; v1(9.51,4.93) 8.86,4.93 ; v1(9.51,4.93) 8.86,4.93 ; v1(9.51,4.93) 8.86,4.93 ; v1(9.51,4.93) 9.61,4.93 ; v1(9.51,4.93) 8.86,4.93 ; v1(9.51,4.93) 8.86,4.93 ; v1(9.51,4.93) 9.61,4.93 ; v1(9.51,4.93) 8.86,4.93 ; v1(9.51,4.93) 8.86,4.93 ; v1(9.51,4.93) 9.61,4.93 ; v1(9.51,4.93) 9.61,4.93 ; v1(9.51,4.93) 9.61,4.93 ; v1(9.51,4.93) 9.61,4.93 ; 8.86,4.93 8.76,5.03 ; 8.86,4.93 8.76,5.03 ; 8.86,4.93 8.76,5.03 ; 8.86,4.93 8.76,5.03 ; 8.86,4.93 8.76,5.03 ; 8.86,4.93 8.76,5.03 ; 8.86,4.93 8.76,5.03 ; 8.86,4.93 8.76,5.03 ; 8.86,4.93 8.76,5.03 ; 8.86,4.93 8.76,5.03 ; 8.86,4.93 8.76,5.03 ; 8.86,4.93 8.76,5.03 ; 8.86,4.93 8.76,5.03 ; 8.86,4.93 8.76,5.03 ; 8.86,4.93 8.76,5.03 ; 8.86,4.93 8.76,5.03 ; 8.86,4.93 8.76,5.03 ; 8.86,4.93 8.76,5.03 ; 8.86,4.93 8.76,5.03 ; 8.86,4.93 8.76,5.03 ; 8.86,4.93 8.76,5.03 ; 8.86,4.93 8.76,5.03 ; 8.86,4.93 8.76,5.03 ; 8.86,4.93 8.76,5.03 ; 8.86,4.93 8.76,5.03 ; 8.86,4.93 8.76,5.03 ; 8.86,4.93 8.76,5.03 ; 8.86,4.93 8.76,5.03 ; 8.86,4.93 8.76,5.03 ; 8.86,4.93 8.76,5.03 ; 8.86,4.93 8.76,5.03 ; 8.86,4.93 8.76,5.03 ; 8.86,4.93 8.76,5.03 ; 8.86,4.93 8.76,5.03 ; 8.86,4.93 8.76,5.03 ; 8.86,4.93 8.76,5.03 ; 8.86,4.93 8.76,5.03 ; 8.86,4.93 8.76,5.03 ; 8.86,4.93 8.76,5.03 ; 8.86,4.93 8.76,5.03 ; 8.86,4.93 8.76,5.03 ; 8.86,4.93 8.76,5.03 ; 9.06,8.98 8.76,8.68 ; 9.06,8.98 J158.73 ; 9.06,8.98 8.76,8.68 ; 9.06,8.98 J158.73 ; 9.06,8.98 8.76,8.68 ; 9.06,8.98 8.76,8.68 ; 9.06,8.98 8.76,8.68 ; 9.06,8.98 J158.73 ; 9.06,8.98 8.76,8.68 ; 9.06,8.98 J158.73 ; 9.06,8.98 8.76,8.68 ; 9.06,8.98 8.76,8.68 ; 9.06,8.98 8.76,8.68 ; 9.06,8.98 8.76,8.68 ; 9.06,8.98 J158.73 ; 9.06,8.98 8.76,8.68 ; 9.06,8.98 J158.73 ; 9.06,8.98 J158.73 ; 9.06,8.98 J158.73 ; 9.06,8.98 J158.73 ; 9.06,8.98 J158.73 ; 9.06,8.98 8.76,8.68 ; 9.06,8.98 J158.73 ; 9.06,8.98 J158.73 ; 9.06,8.98 J158.73 ; 9.06,8.98 J158.73 ; 9.06,8.98 J158.73 ; 9.06,8.98 8.76,8.68 ; 9.06,8.98 J158.73 ; 9.06,8.98 8.76,8.68 ; 9.06,8.98 8.76,8.68 ; 9.06,8.98 J158.73 ; 9.06,8.98 8.76,8.68 ; 9.06,8.98 J158.73 ; 9.06,8.98 8.76,8.68 ; 9.06,8.98 J158.73 ; 9.06,8.98 J158.73 ; 9.06,8.98 8.76,8.68 ; 9.06,8.98 8.76,8.68 ; 9.06,8.98 J158.73 ; 9.06,8.98 J158.73 ; 9.06,8.98 8.76,8.68 ; 9.06,8.98 J158.73 ; 9.06,8.98 J158.73 ; 9.06,8.98 8.76,8.68 ; 9.06,8.98 J158.73 ; 9.06,8.98 8.76,8.68 ; 9.06,8.98 8.76,8.68 ; 9.06,8.98 J158.73 ; 9.06,8.98 J158.73 ; 9.06,8.98 8.76,8.68 ; 9.06,8.98 J158.73 ; 9.06,8.98 8.76,8.68 ; 9.06,8.98 J158.73 ; 9.06,8.98 J158.73 ; 9.06,8.98 J158.73 ; 9.06,8.98 8.76,8.68 ; 9.06,8.98 8.76,8.68 ; 9.06,8.98 J158.73 ; 9.06,8.98 J158.73 ; 9.06,8.98 J158.73 ; 9.06,8.98 8.76,8.68 ; 9.06,8.98 J158.73 ; 9.06,8.98 8.76,8.68 ; 9.06,8.98 8.76,8.68 ; 9.06,8.98 8.76,8.68 ; 9.06,8.98 8.76,8.68 ; 9.06,8.98 8.76,8.68 ; 9.06,8.98 J158.73 ; 9.06,8.98 J158.73 ; 9.06,8.98 J158.73 ; 9.06,8.98 J158.73 ; 9.06,8.98 8.76,8.68 ; 9.06,8.98 8.76,8.68 ; 9.06,8.98 J158.73 ; 9.06,8.98 8.76,8.68 ; 9.06,8.98 8.76,8.68 ; 9.06,8.98 8.76,8.68 ; 9.06,8.98 8.76,8.68 ; 9.06,8.98 8.76,8.68 ; 9.06,8.98 J158.73 ; 9.06,8.98 8.76,8.68 ; 9.06,8.98 8.76,8.68 ; 9.06,8.98 J158.73 ; J158.46 6.26,2.48 ; J158.46 6.26,2.48 ; J158.46 6.26,2.48 ; J158.46 6.26,2.48 ; J158.46 6.26,2.48 ; J158.46 6.26,2.48 ; J158.46 6.26,2.48 ; J158.46 6.26,2.48 ; J158.46 6.26,2.48 ; J158.46 6.26,2.48 ; J158.46 6.26,2.48 ; J158.46 6.26,2.48 ; J158.46 6.26,2.48 ; J158.46 6.26,2.48 ; J158.46 6.26,2.48 ; J158.46 6.26,2.48 ; J158.46 6.26,2.48 ; J158.46 6.26,2.48 ; J158.46 6.26,2.48 ; J158.46 6.26,2.48 ; J158.46 6.26,2.48 ; J158.46 6.26,2.48 ; J158.46 6.26,2.48 ; J158.46 6.26,2.48 ; J158.46 6.26,2.48 ; J158.46 6.26,2.48 ; J158.46 6.26,2.48 ; J158.46 6.26,2.48 ; J158.46 6.26,2.48 ; J158.46 6.26,2.48 ; J158.46 6.26,2.48 ; J158.46 6.26,2.48 ; J158.46 6.26,2.48 ; J158.46 6.26,2.48 ; J158.46 6.26,2.48 ; J158.46 6.26,2.48 ; J158.46 6.26,2.48 ; J158.46 6.26,2.48 ; J158.46 6.26,2.48 ; J158.46 6.26,2.48 ; J158.46 6.26,2.48 ; J158.46 6.26,2.48